# KiCad board Tanner 64k SRAM.kicad_pcb (continued)
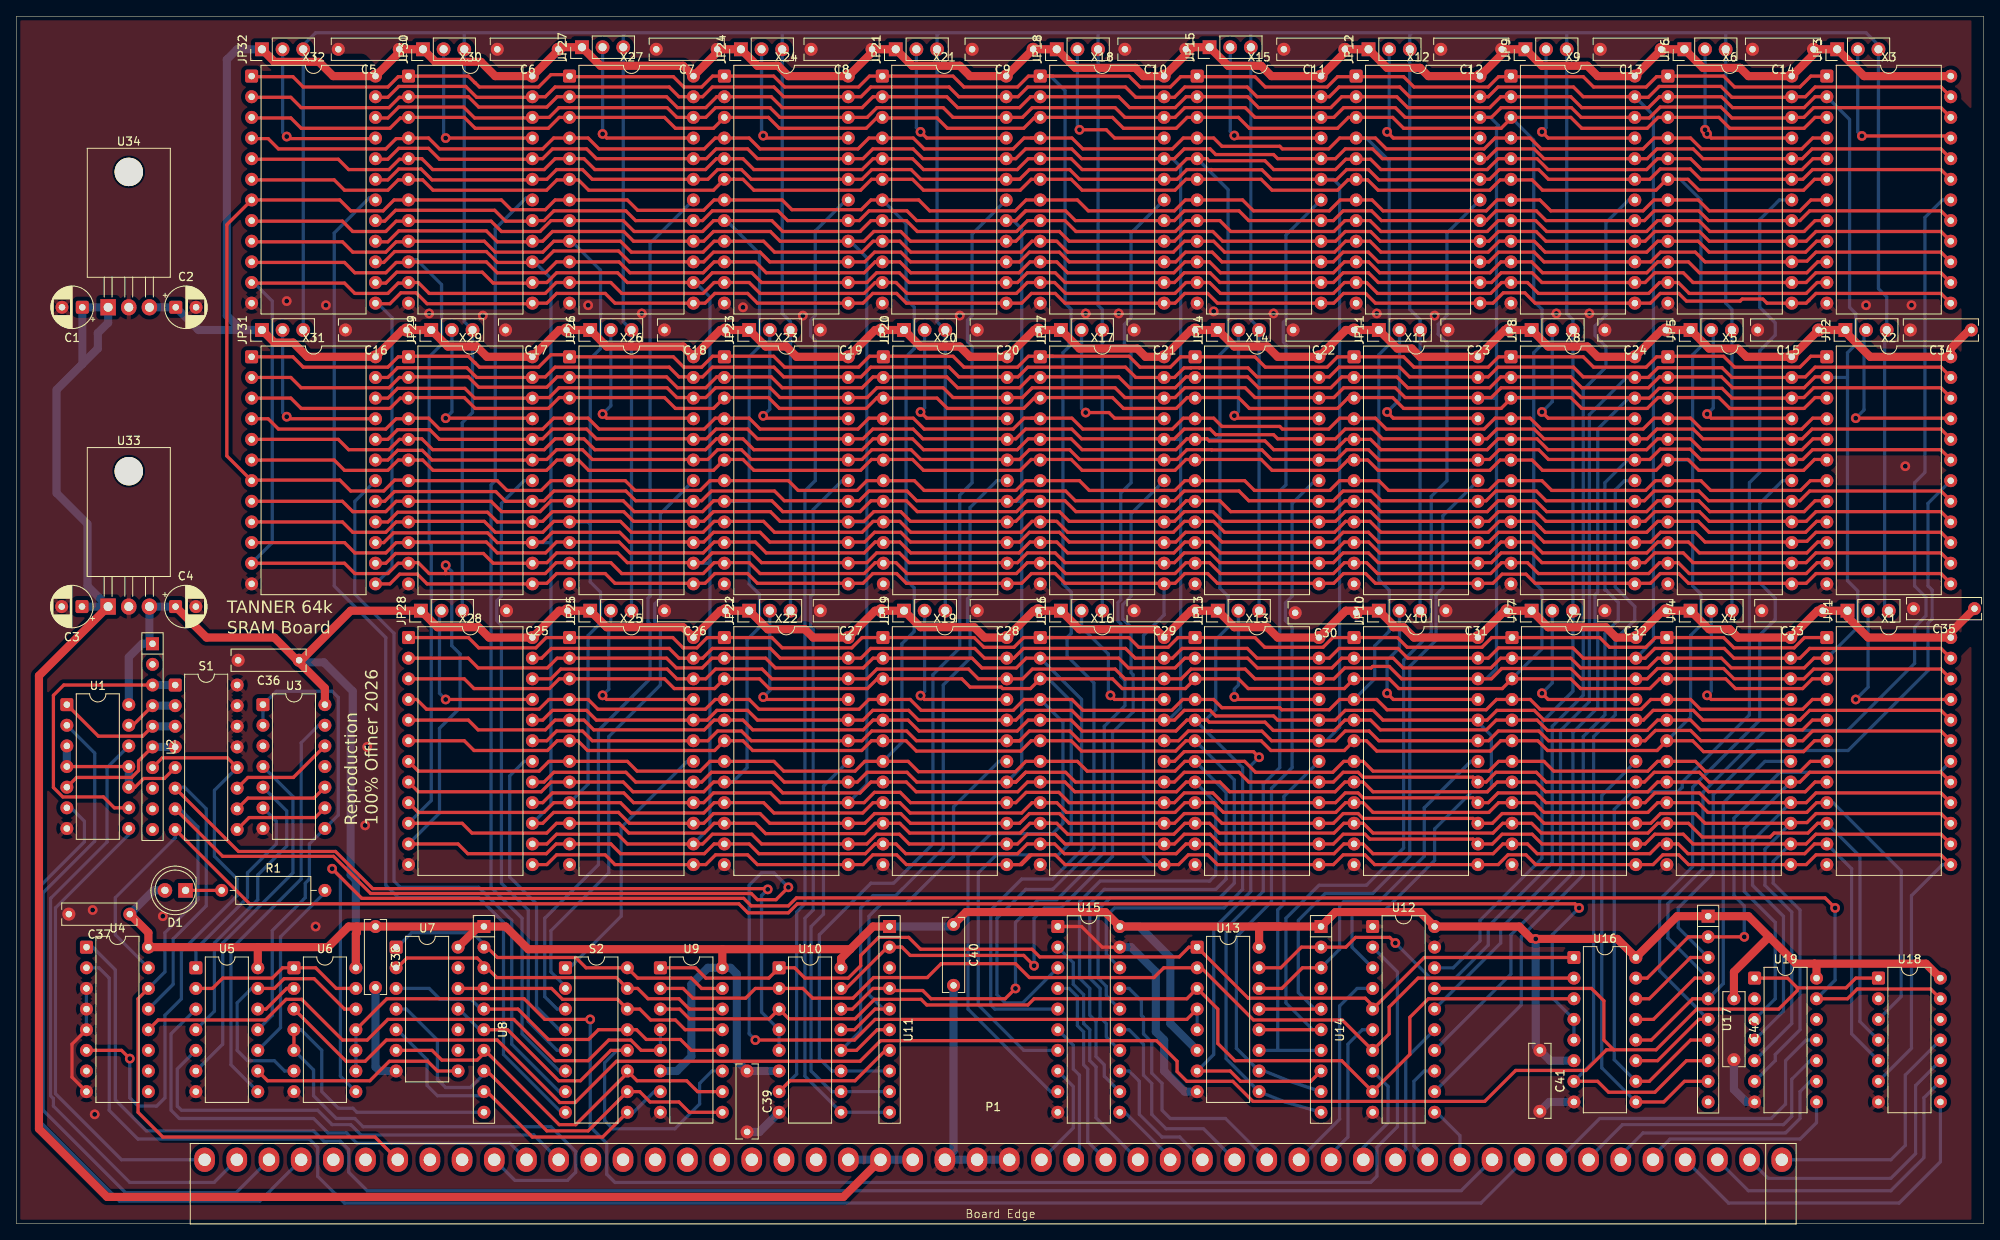
[diagram p0: board, top side]
## Nets (continued)
/~{DS_SEL}: U3.13 U5.8
/~{DS}: U4.12 U9.4 U9.5
/~{FIRQ}: P1.37
/~{HALT}: P1.45
/~{IRQ}: P1.36
/~{MRDY}: P1.34
/~{NMI}: P1.35
/~{OE}: U12.3 X1.20 X2.20 X3.20 X4.20 X5.20 X6.20 X7.20 X8.20 X9.20 X10.20 X11.20 X12.20 X13.20 X14.20 X15.20 X16.20 X17.20 X18.20 X19.20 X20.20 X21.20 X22.20 X23.20 X24.20 X25.20 X26.20 X27.20 X28.20 X29.20 X30.20 X31.20 X32.20
/~{READ}: U6.3 U12.17 U18.1 U19.1
/~{RES}: P1.42
/~{WE}: JP1.3 JP2.3 JP3.3 JP4.3 JP5.3 JP6.3 JP7.3 JP8.3 JP9.3 JP10.3 JP11.3 JP12.3 JP13.3 JP14.3 JP15.3 JP16.3 JP17.3 JP18.3 JP19.3 JP20.3 JP21.3 JP22.3 JP23.3 JP24.3 JP25.3 JP26.3 JP27.3 JP28.3 JP29.3 JP30.3 JP31.3 JP32.3 U12.18
/~{WRITE}: U6.9 U6.10 U6.11 U12.2
BR/~{W}: P1.41 U6.4 U6.5 U8.10
Net-(D1-K): D1.1 R1.1
Net-(JP1-C): JP1.2 X1.21
Net-(JP2-C): JP2.2 X2.21
Net-(JP3-C): JP3.2 X3.21
Net-(JP4-C): JP4.2 X4.21
Net-(JP5-C): JP5.2 X5.21
Net-(JP6-C): JP6.2 X6.21
Net-(JP7-C): JP7.2 X7.21
Net-(JP8-C): JP8.2 X8.21
Net-(JP9-C): JP9.2 X9.21
Net-(JP10-C): JP10.2 X10.21
Net-(JP11-C): JP11.2 X11.21
Net-(JP12-C): JP12.2 X12.21
Net-(JP13-C): JP13.2 X13.21
Net-(JP14-C): JP14.2 X14.21
Net-(JP15-C): JP15.2 X15.21
Net-(JP16-C): JP16.2 X16.21
Net-(JP17-C): JP17.2 X17.21
Net-(JP18-C): JP18.2 X18.21
Net-(JP19-C): JP19.2 X19.21
Net-(JP20-C): JP20.2 X20.21
Net-(JP21-C): JP21.2 X21.21
Net-(JP22-C): JP22.2 X22.21
Net-(JP23-C): JP23.2 X23.21
Net-(JP24-C): JP24.2 X24.21
Net-(JP25-C): JP25.2 X25.21
Net-(JP26-C): JP26.2 X26.21
Net-(JP27-C): JP27.2 X27.21
Net-(JP28-C): JP28.2 X28.21
Net-(JP29-C): JP29.2 X29.21
Net-(JP30-C): JP30.2 X30.21
Net-(JP31-C): JP31.2 X31.21
Net-(JP32-C): JP32.2 X32.21
Net-(R1-Pad2): R1.2 U5.10
Net-(S1-Pad5): S1.5 U1.3 U1.4 U1.10 U1.11
Net-(S1-Pad9): S1.9 U3.9
Net-(S1-Pad10): S1.10 U3.10
Net-(S1-Pad11): S1.11 U3.12
Net-(U3-Pad1): U3.1 U3.2 U3.8 U5.11
Net-(U3-Pad4): U3.4 U5.6
Net-(U3-Pad5): U3.5 U5.4
Net-(U3-Pad6): U3.6 U5.1
Net-(U5-Pad2): U5.2 U6.1 U6.13
Net-(U5-Pad9): U5.9 U7.8
Net-(U5-Pad12): U5.12 U6.2
Net-(U5-Pad13): U5.13 U6.6 U6.12
Net-(U18-OEb): U6.8 U18.13 U19.13

Pads without a net: P1 33; U2 2 8 9 10; U3 3 11; U4 7 9 10 11; U7 9 10 13; U11 3; U14 4; U17 10; U18 2 12; U19 2 12

## Via types
v1: diameter 1.2, hole 0.6, Top to Bottom, 74 vias

## Routing (per net, layer and track width the routed paths; a pad name or vN(x,y) marks a point on that pad's centre or on a via; arc(x,y) is an arc through that point)
+5V: length 674.5
  Top w1: U18.14 234.95,32 221.23,32 ; C37.1 16.26,35.81 U4.16 29.72,34.04 ; 34.54,69.34 31.75,72.14 23.41,72.14 C4.1 ; 57.91,36.58 60.2,36.58 62.99,33.78 86.87,33.78 ; 57.91,36.58 41.91,36.58 ; 57.91,36.58 56.9,36.58 54.48,34.16 54.48,34.04 ; 215.65,35.31 211.33,30.99 C42.1 ; 215.65,35.31 218.95,32 221.23,32 ; 215.65,35.31 213.11,37.85 U17.1 204.34,37.85 U16.16 196.98,35.05 v1(186.94,35.05) 186.44,35.05 184.91,36.58 U12.20 172.72,38.35 162.31,38.35 U14.1 155.45,36.58 ; U9.16 86.87,33.78 ; 86.87,33.78 102.62,33.78 ; U13.16 152.91,36.58 155.45,36.58 ; 29.72,34.04 38.35,34.04 40.89,36.58 41.91,36.58 ; 29.72,34.04 U5.14 ; 41.91,36.58 41.91,35.81 41.78,35.69 U6.14 ; 102.62,33.78 101.47,32.64 U10.16 ; 102.62,33.78 105.41,36.58 U11.1 ; 155.45,36.58 U15.20 133.98,38.35 116.84,38.35 C40.1 ; 221.23,32 221.49,31.75 U19.14 ; 37.97,63.88 37.97,65.91 34.8,69.09 41.15,75.44 JP28.1 51.82,73.41 56.9,73.41 58.17,72.14 X28.24 66.8,75.44 JP25.1 72.64,73.41 82.04,73.41 X25.24 86.61,75.44 JP22.1 92.46,73.15 97.03,73.15 98.04,72.14 X22.24 105.66,75.44 JP19.1 111.25,73.41 117.86,73.41 119.13,72.14 X19.24 125.17,75.44 JP16.1 130.81,73.15 140.21,73.15 X16.24 144.53,75.44 JP13.1 149.86,73.41 153.92,73.41 155.19,72.14 X13.24 163.58,75.44 JP10.1 169.42,73.66 169.42,73.41 170.69,73.41 171.96,72.14 X10.24 183.13,75.44 JP7.1 188.47,73.41 195.58,73.41 196.85,72.14 X7.24 202.56,75.44 JP4.1 208.28,73.15 210.82,73.15 211.84,72.14 X4.24 221.61,75.44 JP1.1 225.3,74.68 227.84,72.14 X1.24 238,72.76 C35.1
  Bottom w1: C37.1 16.89,41.02 D1.2 ; U1.14 13.84,69.72 15.49,71.37 U2.1 16.38,71.76 U33.3 C4.1 ; U15.20 138.18,36.58 141.99,32.77 141.99,24.64 U13.6 ; v1(186.94,35.05) 186.94,21.84 188.72,20.07 U16.6 ; 34.8,69.09 37.85,69.09 41.4,65.53 41.4,61.21 41.15,60.96 41.15,42.93 41.78,42.29 U6.14 ; U9.6 81.28,18.8 83.06,20.57 83.06,29.46 85.09,31.5 U9.16 87.88,31.5 88.65,30.73 88.65,20.07 C39.1 U10.6 ; U11.1 115.06,36.58
+8V: length 240.1
  Top w1: U33.1 2.79,67.44 2.79,11.68 11.18,3.3 101.76,3.3 P1.29
  Bottom w1: C3.1 U33.1 8.76,78.49 8.76,86.11 4.95,89.92 4.95,102.62 8.13,105.79 ; P1.30 P1.28 ; 8.13,105.79 C1.1 U34.1 11.3,110.87 10.03,109.6 10.03,107.7 8.13,105.79
GND: length 105.1
  Top w0.4: U4.5 6.86,22.1 6.86,18.03 U4.8 ; U15.1 131.06,36.58 133.6,34.04 U15.19
  Bottom w0.4: U4.5 U4.3
  Bottom w1: U13.8 143.76,16.26 141.22,18.8 141.22,22.61 140.21,23.62 140.21,30.99 137.16,34.04 U15.19 ; U7.7 44.7,18.8 44.2,19.3 C38.2 ; C39.2 91.43,11.3 U10.8 ; C42.2 211.33,16.51 212.85,14.99 U19.7 ; C41.2 188.6,14.99 U16.8 ; C40.2 115.32,8.94 P1.27 P1.25
  vias: v1(9.4,38.61) v1(9.65,13.46) v1(18.03,37.85) v1(33.27,113.54) v1(36.83,36.58) v1(38.1,113.03) v1(42.93,49.02) v1(43.18,58.67) v1(50.8,112.01) v1(57.4,111.76) v1(70.36,113.03) v1(76.96,112.01) v1(89.41,112.78) v1(96.77,111.76) v1(116.08,111.76) v1(131.57,112.01) v1(135.64,112.01) v1(147.32,112.27) v1(154.69,112.01) v1(167.39,112.01) v1(174.5,111.76) v1(189.48,112.01) v1(193.55,112.01) v1(227.58,113.03) v1(232.41,93.22) v1(233.17,113.03)
+5C: length 534.5
  Top w1: JP31.1 31.78,108.43 34.06,108.43 35.81,106.68 X31.24 47.5,109.98 JP29.1 53.09,107.95 56.64,107.95 57.91,106.68 X29.24 66.8,109.98 JP26.1 72.64,107.95 82.04,107.95 X26.24 86.61,109.98 JP23.1 92.2,107.95 94.74,107.95 96.01,106.68 X23.24 105.66,109.98 JP20.1 111.25,107.95 116.08,107.95 117.35,106.68 X20.24 125.22,109.98 JP17.1 130.81,107.7 137.92,107.7 138.94,106.68 X17.24 144.53,109.98 JP14.1 149.86,107.95 153.92,107.95 155.19,106.68 X14.24 163.58,109.98 JP11.1 169.93,107.7 171.7,107.7 172.72,106.68 X11.24 183.13,109.98 JP8.1 188.47,107.95 193.29,107.95 194.56,106.68 X8.24 202.44,109.98 JP5.1 208.28,107.7 211.84,107.7 212.85,106.68 X5.24 C15.1 JP2.1 225.04,109.73 228.09,106.68 X2.24 238,107.7 240.28,109.98 C34.1 ; X3.24 227.33,141.22 JP3.1 221.74,144.53 X6.24 213.11,141.22 212.09,142.24 207.52,142.24 JP6.1 202.44,144.53 X9.24 194.56,141.22 193.29,142.49 187.71,142.49 JP9.1 183.39,144.53 X12.24 173.74,141.22 172.72,142.24 168.66,142.24 JP12.1 163.83,144.53 X15.24 154.43,141.22 153.16,142.49 149.1,142.49 JP15.1 144.78,144.78 X18.24 138.68,141.22 137.67,142.24 130.3,142.24 JP18.1 125.09,144.53 121.79,141.22 117.35,141.22 116.08,142.49 110.24,142.49 JP21.1 105.66,144.53 X24.24 95,141.22 93.73,142.49 91.19,142.49 JP24.1 86.61,144.53 X27.24 82.04,142.49 71.88,142.49 JP27.1 67.06,144.78 X30.24 58.93,141.22 57.18,142.98 51.59,142.98 JP30.1 47.5,144.53 X32.24 38.99,141.22 37.24,142.98 31.78,142.98 JP32.1
  Bottom w1: JP32.1 27.18,144.53 25.91,143.26 25.91,111.76 27.69,109.98 JP31.1 22.42,109.98 C2.1 U34.3
/A0: length 725.9
  Top w0.4: 106.63,88.97 105.16,88.97 103.82,87.63 94.3,87.63 92.96,88.97 85.79,88.97 84.45,87.63 76.02,87.63 74.68,88.97 65.79,88.97 64.45,87.63 59.69,87.63 58.42,88.9 48.33,88.9 48.26,88.97 ; X3.8 221.3,123.44 219.96,122.1 208.35,122.1 207.01,123.44 201.93,123.44 200.59,122.1 188.28,122.1 186.94,123.44 182.32,123.44 180.98,122.1 167.89,122.1 166.55,123.44 163.46,123.44 162.12,122.1 149.42,122.1 148.08,123.44 143.93,123.44 142.59,122.1 130.37,122.1 129.03,123.44 X18.8 ; 222.76,88.97 221.3,88.97 219.96,87.63 208.35,87.63 207.01,88.97 201.93,88.97 200.59,87.63 188.28,87.63 186.94,88.97 182.32,88.97 180.98,87.63 167.89,87.63 166.55,88.97 163.46,88.97 162.12,87.63 149.42,87.63 148.08,88.97 143.93,88.97 142.59,87.63 130.37,87.63 129.03,88.97 125.98,88.97 ; X29.8 46.74,88.9 45.47,87.63 41.4,87.63 40.13,88.9 X31.8 ; 28.96,123.37 40.13,123.37 41.4,122.1 45.47,122.1 46.74,123.37 48.26,123.37 ; X19.8 105.16,54.36 103.82,53.02 94.3,53.02 92.96,54.36 X22.8 85.79,54.36 84.59,53.16 75.88,53.16 74.68,54.36 X25.8 65.79,54.36 64.59,53.16 49.46,53.16 X28.8 ; 125.52,123.44 124.42,123.44 123.08,122.1 110.85,122.1 109.51,123.44 106.47,123.44 ; X30.8 48.33,123.37 58.42,123.37 59.69,122.1 64.45,122.1 65.79,123.44 74.68,123.44 76.02,122.1 84.45,122.1 85.79,123.44 92.96,123.44 94.3,122.1 103.82,122.1 105.16,123.44 106.63,123.44 ; 106.47,88.97 109.51,88.97 110.85,87.63 123.08,87.63 124.42,88.97 125.52,88.97 ; 125.52,54.36 124.42,54.36 123.22,53.16 110.71,53.16 109.51,54.36 106.47,54.36 ; X1.8 221.3,54.36 220.1,53.16 208.21,53.16 207.01,54.36 X4.8 201.93,54.36 200.73,53.16 188.14,53.16 186.94,54.36 X7.8 182.2,54.36 181.86,54.01 181.86,54.01 181,53.16 166.92,53.16 165.72,54.36 X10.8 163.46,54.36 162.26,53.16 149.28,53.16 148.08,54.36 X13.8 143.93,54.36 142.73,53.16 130.23,53.16 129.03,54.36 X16.8
  Bottom w0.4: X13.8 147.57,51.82 147.57,42.93 146.81,42.16 133.35,42.16 130.81,39.62 130.81,30.23 132.08,28.96 132.08,25.65 132.84,24.89 132.84,20.57 133.86,19.56 133.86,18.16 U15.12 ; 90.17,88.9 90.17,78.74 91.44,77.47 91.44,73.41 89.92,71.88 89.92,56.13 88.14,54.36 X22.8 ; 90.17,88.9 90.17,106.68 91.44,107.95 91.44,119.38 87.38,123.44 X24.8 ; 90.17,88.9 X23.8
/A1: length 758.8
  Top w0.4: X1.7 220.73,56.9 219.53,55.7 207.79,55.7 206.59,56.9 X4.7 201.93,56.9 200.73,55.7 189.16,55.7 187.96,56.9 X7.7 182.37,56.9 181.17,55.7 166.92,55.7 165.72,56.9 X10.7 163.32,56.9 161.98,55.56 152.47,55.56 151.13,56.9 X13.7 143.76,56.9 142.56,55.7 131.76,55.7 130.56,56.9 X16.7 124.21,56.9 122.94,55.63 111,55.63 109.73,56.9 X19.7 104.39,56.9 103.19,55.7 94.42,55.7 93.22,56.9 X22.7 85.34,56.9 84.14,55.7 76.38,55.7 75.18,56.9 X25.7 65.53,56.9 64.33,55.7 49.46,55.7 X28.7 ; X2.7 220.73,91.44 219.53,90.24 208.46,90.24 207.26,91.44 X5.7 201.68,91.44 200.48,90.24 188.91,90.24 187.71,91.44 X8.7 182.37,91.44 181.17,90.24 168.84,90.24 167.64,91.44 X11.7 162.81,91.44 161.61,90.24 152.33,90.24 151.13,91.44 X14.7 143.76,91.44 142.56,90.24 132.01,90.24 130.81,91.44 X17.7 124.21,91.44 123.01,90.24 111.69,90.24 110.49,91.44 X20.7 104.65,91.44 103.45,90.24 96.2,90.24 95,91.44 X23.7 85.34,91.44 84.14,90.24 76.13,90.24 74.93,91.44 X26.7 65.79,91.44 64.59,90.24 60.38,90.24 59.18,91.44 X29.7 48.19,91.51 46.55,91.51 45.21,90.17 41.15,90.17 39.81,91.51 29.03,91.51 X31.7 25.91,94.49 25.91,122.94 X32.7 39.81,125.98 41.15,124.64 45.14,124.64 46.48,125.98 X30.7 59.69,125.98 60.89,124.78 65.09,124.78 66.29,125.98 X27.7 75.18,125.98 76.45,124.71 84.58,124.71 85.85,125.98 X24.7 94.23,125.98 95.43,124.78 103.96,124.78 105.16,125.98 X21.7 111.04,125.98 112.38,124.64 122.91,124.64 124.25,125.98 X18.7 130.56,125.98 131.9,124.64 142.49,124.64 143.83,125.98 150.88,125.98 152.22,124.64 161.54,124.64 162.88,125.98 166.81,125.98 168.15,124.64 180.85,124.64 182.19,125.98 187.45,125.98 188.79,124.64 200.15,124.64 201.49,125.98 206.94,125.98 208.28,124.64 219.46,124.64 220.8,125.98 X3.7
  Bottom w0.4: 109.47,91.44 109.47,106.68 110.49,107.7 110.49,112.78 109.47,113.79 109.47,123.06 X21.7 ; 109.47,91.44 109.47,79.25 110.47,78.25 110.47,72.88 108.97,71.37 108.97,59.24 X19.7 ; 109.47,91.44 X20.7 ; X13.7 148.84,53.09 148.84,42.42 147.57,41.15 133.86,41.15 132.08,39.37 132.08,30.23 133.35,28.96 133.35,25.4 134.11,24.64 134.11,22.99 U15.14
/A2: length 720.3
  Top w0.4: X30.6 48.33,128.45 50,128.45 51.27,127.18 65.24,127.18 66.51,128.45 69.16,128.45 70.43,127.18 85.78,127.18 X24.6 89.41,128.52 90.75,127.18 103.88,127.18 105.22,128.52 106.63,128.52 ; X31.6 39.12,93.98 40.39,92.71 45.72,92.71 46.99,93.98 X29.6 ; 125.52,59.44 124.86,59.44 123.59,58.17 110.74,58.17 109.47,59.44 106.47,59.44 ; 106.47,128.52 110.28,128.52 111.62,127.18 123.52,127.18 124.86,128.52 125.52,128.52 ; 222.76,94.05 221.23,94.05 219.89,92.71 207.01,92.71 205.67,94.05 203.07,94.05 201.73,92.71 187.78,92.71 186.51,93.98 X8.6 182.56,93.98 181.29,92.71 167.55,92.71 166.28,93.98 X11.6 163.83,93.98 162.56,92.71 154.5,92.71 153.16,94.05 143.9,94.05 142.56,92.71 131.13,92.71 129.79,94.05 125.98,94.05 ; X3.6 221.23,128.52 219.89,127.18 207.01,127.18 205.67,128.52 203.07,128.52 201.73,127.18 187.78,127.18 186.51,128.45 182.56,128.45 181.29,127.18 167.55,127.18 166.28,128.45 163.83,128.45 162.56,127.18 154.5,127.18 153.16,128.52 143.9,128.52 142.56,127.18 131.13,127.18 129.79,128.52 X18.6 ; 125.52,94.05 124.86,94.05 123.52,92.71 111.62,92.71 110.28,94.05 106.47,94.05 ; X1.6 221.23,59.44 219.89,58.1 207.59,58.1 206.25,59.44 X4.6 201.87,58.24 188.4,58.24 187.2,59.44 X7.6 182.63,59.44 181.36,58.17 167.39,58.17 166.12,59.44 X10.6 163.39,58.24 154.36,58.24 153.16,59.44 X13.6 143.9,59.44 142.63,58.17 131.06,58.17 129.79,59.44 X16.6 ; X19.6 105.22,59.44 104.02,58.24 90.61,58.24 89.41,59.44 X22.6 85.92,58.24 70.29,58.24 69.09,59.44 X25.6 66.55,59.44 65.35,58.24 56.32,58.24 55.12,59.44 X28.6 ; 48.33,93.98 50,93.98 51.27,92.71 65.24,92.71 66.51,93.98 69.16,93.98 70.43,92.71 85.78,92.71 87.12,94.05 89.41,94.05 90.75,92.71 103.88,92.71 105.22,94.05 106.63,94.05 ; 28.96,128.45 39.12,128.45 40.39,127.18 45.72,127.18 46.99,128.45 48.26,128.45
  Bottom w0.4: U15.16 134.11,28.07 134.11,29.21 133.1,30.23 133.1,38.61 134.62,40.13 148.08,40.13 149.86,41.91 149.86,54.61 X13.6 ; X6.6 204.72,128.52 207.26,125.98 207.26,107.95 206.25,106.93 206.25,93.98 ; X4.6 205.99,62.36 205.99,72.39 207.26,73.66 207.26,77.47 206.25,78.49 206.25,93.98 ; 206.25,93.98 X5.6
/A3: length 722.8
  Top w0.4: 106.63,96.59 105.41,96.59 104.07,95.25 90.75,95.25 89.41,96.59 86.14,96.59 84.8,95.25 71.19,95.25 69.85,96.59 66.29,96.59 64.95,95.25 51.24,95.25 49.9,96.59 48.26,96.59 ; 106.47,61.98 109.73,61.98 111.07,60.64 123.16,60.64 124.5,61.98 127.04,61.98 ; 106.47,96.59 110.28,96.59 111.62,95.25 123.16,95.25 124.5,96.59 127.04,96.59 ; X19.5 105.41,61.98 104.21,60.78 90.61,60.78 89.41,61.98 X22.5 85.85,61.98 84.65,60.78 71.05,60.78 69.85,61.98 X25.5 66.29,61.98 65.09,60.78 56.83,60.78 55.63,61.98 X28.5 ; X1.5 220.98,61.98 219.78,60.78 207.19,60.78 205.99,61.98 X4.5 201.93,61.98 200.66,60.71 188.38,60.71 187.11,61.98 X7.5 182.07,61.98 180.87,60.78 167.82,60.78 166.62,61.98 X10.5 163.46,61.98 162.19,60.71 154.64,60.71 153.63,61.72 146.77,61.72 146.51,61.98 X13.5 144.02,61.98 142.68,60.64 131.13,60.64 129.79,61.98 X16.5 ; 106.47,131.06 110.28,131.06 111.62,129.72 123.16,129.72 124.5,131.06 127.04,131.06 ; X18.5 129.79,131.06 131.13,129.72 142.68,129.72 144.02,131.06 146.51,131.06 146.77,130.81 153.63,130.81 154.71,129.72 162.31,129.72 163.58,130.99 166.62,130.99 167.89,129.72 180.97,129.72 182.31,131.06 187.11,131.06 188.45,129.72 200.59,129.72 201.93,131.06 205.99,131.06 207.33,129.72 219.71,129.72 221.05,131.06 X3.5 ; 125.98,96.59 129.79,96.59 131.13,95.25 142.68,95.25 144.02,96.59 146.51,96.59 146.77,96.34 153.63,96.34 154.71,95.25 162.31,95.25 163.58,96.52 X11.5 166.62,96.52 167.89,95.25 180.97,95.25 182.31,96.59 187.11,96.59 188.45,95.25 200.59,95.25 201.93,96.59 205.99,96.59 207.33,95.25 219.71,95.25 221.05,96.59 222.76,96.59 ; X31.5 39.62,96.52 40.89,95.25 45.86,95.25 47.13,96.52 X29.5 ; 106.63,131.06 105.41,131.06 104.07,129.72 90.75,129.72 89.41,131.06 86.14,131.06 84.8,129.72 71.19,129.72 69.85,131.06 66.29,131.06 64.95,129.72 51.24,129.72 49.9,131.06 X30.5 ; 28.96,130.99 39.62,130.99 40.89,129.72 45.86,129.72 47.13,130.99 48.26,130.99
  Bottom w0.4: 148.08,97.03 148.08,96.77 147.83,96.52 X14.5 ; 148.08,97.03 148.08,106.93 149.1,107.95 149.1,127.25 X15.5 ; 148.08,97.03 148.08,78.23 149.1,77.22 149.1,73.41 147.57,71.88 147.57,63.25 146.3,61.98 X13.5 150.88,56.13 150.88,41.15 148.59,38.86 135.13,38.86 134.11,37.85 134.11,33.15 U15.18
/A4: length 739
  Top w0.4: 124.85,64.52 X16.4 129.88,64.52 131.22,63.18 142.17,63.18 143.51,64.52 X13.4 147.32,64.52 148.34,63.5 155.45,63.5 155.7,63.25 161.54,63.25 162.81,64.52 X10.4 167.39,64.52 168.66,63.25 180.85,63.25 182.12,64.52 X7.4 186.27,64.52 187.47,63.32 199.9,63.32 201.1,64.52 X4.4 205.99,64.52 207.19,63.32 219.78,63.32 220.98,64.52 X1.4 ; 48.26,99.13 50.73,99.13 52.07,97.79 64.77,97.79 66.11,99.13 70.36,99.13 71.7,97.79 84.65,97.79 85.99,99.13 90.17,99.13 91.51,97.79 103.56,97.79 104.9,99.13 106.63,99.13 ; 48.26,133.53 46.74,133.53 45.47,132.26 32.26,132.26 30.99,133.53 28.96,133.53 ; X30.4 50.73,133.6 52.07,132.26 64.77,132.26 66.11,133.6 70.36,133.6 71.7,132.26 84.65,132.26 85.99,133.6 90.17,133.6 91.51,132.26 103.56,132.26 104.9,133.6 106.63,133.6 ; 106.47,64.52 109.98,64.52 111.32,63.18 122.65,63.18 123.99,64.52 127.29,64.52 ; 222.76,99.13 221.01,99.13 219.67,97.79 207.33,97.79 205.99,99.13 201.49,99.13 200.15,97.79 187.61,97.79 186.27,99.13 181.93,99.13 180.59,97.79 168.56,97.79 167.22,99.13 162.81,99.13 161.47,97.79 155.77,97.79 155.45,98.11 148.34,98.11 147.32,99.13 143.58,99.13 142.24,97.79 131.22,97.79 129.88,99.13 124.85,99.13 ; 125.52,99.13 123.99,99.13 122.65,97.79 111.7,97.79 110.36,99.13 106.47,99.13 ; X3.4 221.01,133.6 219.67,132.26 207.33,132.26 205.99,133.6 201.49,133.6 200.15,132.26 187.61,132.26 186.27,133.6 181.93,133.6 180.59,132.26 168.56,132.26 167.22,133.6 162.81,133.6 161.47,132.26 155.77,132.26 155.45,132.59 148.34,132.59 147.32,133.6 143.58,133.6 142.24,132.26 131.22,132.26 129.88,133.6 124.85,133.6 ; 125.52,133.6 123.99,133.6 122.65,132.26 111.7,132.26 110.36,133.6 106.47,133.6 ; X29.4 46.74,99.06 45.47,97.79 32.26,97.79 30.99,99.06 X31.4 ; X19.4 104.9,64.52 103.7,63.32 91.37,63.32 90.17,64.52 X22.4 85.99,64.52 84.79,63.32 71.56,63.32 70.36,64.52 X25.4 65.53,64.52 64.33,63.32 50.48,63.32 49.28,64.52 X28.4
  Bottom w0.4: 167.64,99.06 167.64,79.25 168.91,77.98 168.91,72.9 167.13,71.12 167.13,67.06 X10.4 ; 167.64,99.06 167.64,106.93 168.91,108.2 168.91,130.81 166.12,133.6 X12.4 ; 167.64,99.06 X11.4 ; U15.9 127.25,16.26 117.09,26.42 117.09,45.21 119.89,48.01 127.51,48.01 128.78,49.28 128.78,61.72 X16.4
/A5: length 732.3
  Top w0.4: X18.3 134.87,136.14 136.21,134.8 142.71,134.8 144.05,136.14 150.37,136.14 151.71,134.8 162.56,134.8 163.9,136.14 169.35,136.14 170.69,134.8 182.68,134.8 184.02,136.14 191.26,136.14 192.6,134.8 200.66,134.8 202,136.14 209.48,136.14 210.82,134.8 219.96,134.8 221.3,136.14 X3.3 ; X1.3 220.98,67.06 219.78,65.86 211.51,65.86 210.31,67.06 X4.3 202.18,67.06 200.98,65.86 192.46,65.86 191.26,67.06 X7.3 182.82,65.86 170.11,65.86 168.91,67.06 X10.3 163.39,65.86 151.57,65.86 150.37,67.06 X13.3 143.83,65.86 136.07,65.86 134.87,67.06 X16.3 124.78,65.86 121.37,65.86 121.18,66.04 117.35,66.04 116.33,67.06 X19.3 105.92,67.06 104.72,65.86 92.64,65.86 91.44,67.06 X22.3 85.92,65.86 80.96,65.86 79.76,67.06 X25.3 66.8,67.06 65.6,65.86 56.32,65.86 55.12,67.06 X28.3 ; X31.3 33.78,101.6 35.05,100.33 45.97,100.33 47.24,101.6 X29.3 ; 106.63,136.14 105.92,136.14 104.58,134.8 93.89,134.8 92.55,136.14 X24.3 85.78,134.8 81.1,134.8 79.76,136.14 66.8,136.14 65.46,134.8 56.46,134.8 55.12,136.14 X30.3 ; 48.26,101.67 55.12,101.67 56.46,100.33 65.46,100.33 66.8,101.67 79.76,101.67 81.1,100.33 85.78,100.33 87.12,101.67 92.55,101.67 93.89,100.33 104.58,100.33 105.92,101.67 106.63,101.67 ; 48.26,136.07 47.24,136.07 45.97,134.8 35.05,134.8 33.78,136.07 28.96,136.07 ; X17.3 125.22,101.6 123.95,100.33 114.55,100.33 113.28,101.6 X20.3 ; 222.76,101.67 221.3,101.67 219.96,100.33 210.82,100.33 209.48,101.67 202,101.67 200.66,100.33 192.6,100.33 191.26,101.67 184.02,101.67 182.68,100.33 170.69,100.33 169.35,101.67 163.9,101.67 162.56,100.33 151.71,100.33 150.37,101.67 144.05,101.67 142.71,100.33 136.21,100.33 134.87,101.67 125.98,101.67 ; 106.68,136.07 113.28,136.07 114.55,134.8 123.95,134.8 125.22,136.07 125.98,136.07
  Bottom w0.4: X16.3 127,67.06 129.79,64.26 129.79,46.99 128.2,45.4 120.58,45.4 118.36,43.18 118.36,26.92 123.95,21.34 U15.7 ; X9.3 186.69,133.35 186.69,113.54 187.71,112.52 187.71,108.2 186.69,107.19 186.69,101.6 ; 186.69,101.6 186.69,78.99 187.71,77.98 187.71,70.74 X7.3 ; 186.69,101.6 X8.3
/A6: length 731.2
  Top w0.4: X29.2 47.13,104.14 45.86,102.87 35.05,102.87 33.78,104.14 X31.2 ; 106.47,69.6 117.6,69.6 118.8,68.4 123.05,68.4 124.25,69.6 126.65,69.6 ; 222.76,104.21 221.3,104.21 219.96,102.87 211.14,102.87 209.8,104.21 202.16,104.21 200.82,102.87 192.6,102.87 191.26,104.21 182.63,104.21 181.29,102.87 171.2,102.87 169.86,104.21 163.07,104.21 161.73,102.87 152.84,102.87 151.5,104.21 143.93,104.21 142.59,102.87 136.98,102.87 135.64,104.21 125.98,104.21 ; 106.63,104.21 105.41,104.21 104.07,102.87 94.23,102.87 92.89,104.21 86.18,104.21 84.84,102.87 81.35,102.87 80.01,104.21 66.55,104.21 65.28,102.94 56.9,102.94 55.63,104.21 48.26,104.21 ; X30.2 55.63,138.68 56.9,137.41 65.28,137.41 66.55,138.68 80.01,138.68 81.35,137.34 84.84,137.34 86.18,138.68 92.89,138.68 94.23,137.34 104.07,137.34 105.41,138.68 106.63,138.68 ; X18.2 135.64,138.68 136.98,137.34 142.59,137.34 143.93,138.68 151.5,138.68 152.84,137.34 161.73,137.34 163.07,138.68 169.86,138.68 171.2,137.34 181.29,137.34 182.63,138.68 191.26,138.68 192.6,137.34 200.82,137.34 202.16,138.68 209.8,138.68 211.14,137.34 219.96,137.34 221.3,138.68 X3.2 ; X1.2 221.18,69.6 219.98,68.4 211,68.4 209.8,69.6 X4.2 201.94,69.6 200.74,68.4 192.46,68.4 191.26,69.6 X7.2 182.63,69.6 181.43,68.4 170.62,68.4 169.42,69.6 X10.2 163.07,69.6 161.87,68.4 152.7,68.4 151.5,69.6 X13.2 143.76,69.6 142.56,68.4 136.84,68.4 135.64,69.6 X16.2 ; X19.2 105.41,69.6 104.21,68.4 93.4,68.4 92.2,69.6 X22.2 85.6,69.6 84.4,68.4 81.21,68.4 80.01,69.6 X25.2 66.55,69.6 65.35,68.4 56.83,68.4 55.63,69.6 X28.2 ; 126.65,104.21 124.78,104.21 123.44,102.87 115.82,102.87 114.48,104.21 106.47,104.21 ; 48.26,138.61 47.13,138.61 45.86,137.34 35.05,137.34 33.78,138.61 28.96,138.61 ; 106.47,138.68 114.48,138.68 115.82,137.34 123.44,137.34 124.78,138.68 126.65,138.68
  Bottom w0.4: 225.3,104.14 225.3,107.19 226.31,108.2 226.31,112.01 225.55,112.78 225.55,135.89 X3.2 ; 225.3,104.14 X2.2 ; 225.3,104.14 225.3,79.12 226.57,77.85 226.57,73.41 X1.2 ; X16.2 131.06,64.52 131.06,45.97 127.51,42.42 123.7,42.42 119.89,38.61 119.89,26.92 120.4,26.42 U15.5
/A7: length 739.3
  Top w0.4: 127.55,141.22 124.53,141.22 123.19,139.88 116.59,139.88 115.25,141.22 106.47,141.22 ; 222.76,106.75 220.78,106.75 219.44,105.41 211.4,105.41 210.06,106.75 203.07,106.75 ; 106.63,141.22 104.97,141.22 103.63,139.88 94.52,139.88 93.18,141.22 85.67,141.22 84.33,139.88 82.11,139.88 80.84,141.15 68.07,141.15 67.82,141.41 65.79,141.41 64.26,139.88 56.98,139.88 56.45,140.41 56.44,140.41 55.63,141.22 X30.1 ; 203.2,141.15 201.8,141.15 200.53,139.88 194.06,139.88 192.79,141.15 182.37,141.15 181.1,139.88 171.96,139.88 170.69,141.15 162.56,141.15 161.29,139.88 153.67,139.88 152.4,141.15 143.26,141.15 141.99,139.88 138.25,139.88 136.91,141.22 X18.1 ; 106.63,106.75 104.97,106.75 103.63,105.41 94.52,105.41 93.18,106.75 85.67,106.75 84.33,105.41 82.11,105.41 80.84,106.68 X26.1 67.82,106.93 65.79,106.93 64.26,105.41 56.98,105.41 56.45,105.94 56.44,105.94 55.63,106.75 48.26,106.75 ; 127.55,106.75 124.53,106.75 123.19,105.41 116.59,105.41 115.25,106.75 106.47,106.75 ; X16.1 136.91,72.14 138.11,70.94 141.72,70.94 142.92,72.14 X13.1 152.4,72.14 153.6,70.94 160.77,70.94 161.97,72.14 X10.1 169.93,72.14 171.13,70.94 180.33,70.94 181.53,72.14 X7.1 194.82,72.14 196.02,70.94 200.48,70.94 201.68,72.14 X4.1 210.06,72.14 211.33,70.87 218.74,70.87 220.01,72.14 X1.1 ; X3.1 220.78,141.22 219.44,139.88 211.4,139.88 210.06,141.22 203.07,141.22 ; X29.1 46.99,106.68 45.72,105.41 35.31,105.41 34.04,106.68 X31.1 ; X28.1 55.63,72.14 56.9,70.87 63.93,70.87 65.2,72.14 X25.1 80.77,72.14 82.04,70.87 83.74,70.87 85.01,72.14 X22.1 92.96,72.14 94.23,70.87 102.79,70.87 104.06,72.14 X19.1 ; X5.1 201.8,106.68 200.53,105.41 194.06,105.41 192.79,106.68 X8.1 182.37,106.68 181.1,105.41 171.96,105.41 170.69,106.68 X11.1 162.56,106.68 161.29,105.41 153.67,105.41 152.4,106.68 X14.1 143.26,106.68 141.99,105.41 138.25,105.41 136.91,106.75 125.98,106.75 ; 48.26,141.15 46.99,141.15 45.72,139.88 35.31,139.88 34.04,141.15 28.96,141.15 ; 106.47,72.14 117.85,72.14 119.05,70.94 122.75,70.94 123.95,72.14 127.55,72.14
  Bottom w0.4: 128.78,106.68 128.78,78.74 129.79,77.72 129.79,72.64 129.29,72.14 ; 128.78,106.68 128.78,107.19 129.54,107.95 129.54,108.73 129.77,108.73 129.77,112.54 129.03,113.28 129.03,139.45 127.25,141.22 X18.1 ; 128.78,106.68 X17.1 ; U15.3 123.82,27.18 121.67,27.18 120.65,28.19 120.65,37.59 124.21,41.15 127.51,41.15 132.59,46.23 132.59,66.55 129.29,69.85 129.29,72.14 ; 129.29,72.14 X16.1
/A8: length 753.6
  Top w0.4: X1.23 236.8,70.8 220.64,70.8 219.44,69.6 X4.23 211.33,69.6 210.13,70.8 201.61,70.8 200.41,69.6 X7.23 192.79,69.6 191.52,70.87 182.37,70.87 181.1,69.6 X10.23 171.2,69.6 170,70.8 162.74,70.8 161.54,69.6 X13.23 152.65,69.6 151.45,70.8 143.44,70.8 142.24,69.6 X16.23 137.67,69.6 136.47,70.8 123.92,70.8 122.72,69.6 119.13,69.6 117.93,70.8 105.13,70.8 103.93,69.6 102.35,69.6 ; 63.5,138.61 56.64,138.61 55.3,139.95 47.06,139.95 45.72,138.61 44.2,138.61 ; 199.14,138.61 200.79,138.61 202.13,139.95 209.73,139.95 211.07,138.61 218.44,138.61 ; 199.26,104.21 192.79,104.21 191.59,105.41 182.3,105.41 181.1,104.21 171.41,104.21 170.22,105.41 162.74,105.41 161.54,104.21 152.65,104.21 151.55,105.32 145.55,105.32 145.53,105.34 144.54,105.34 144.51,105.32 143.67,105.32 142.49,104.14 137.74,104.14 136.47,105.41 124.45,105.41 123.25,104.21 115.97,104.21 114.77,105.41 105.13,105.41 103.93,104.21 102.35,104.21 ; X24.23 94.42,138.68 93.22,139.88 85.64,139.88 84.44,138.68 81.53,138.68 80.33,139.88 66.29,139.88 65.09,138.68 X30.23 ; X28.23 64.63,69.6 65.83,70.8 80.33,70.8 81.53,69.6 X25.23 84.44,69.6 85.64,70.8 92.78,70.8 93.98,69.6 X22.23 ; 63.5,104.21 65.09,104.21 66.29,105.41 80.33,105.41 81.53,104.21 84.44,104.21 85.64,105.41 93.22,105.41 94.42,104.21 102.36,104.21 ; 199.26,138.68 192.79,138.68 191.59,139.88 182.3,139.88 181.1,138.68 171.41,138.68 170.22,139.88 162.74,139.88 161.54,138.68 152.65,138.68 151.45,139.88 143.76,139.88 142.49,138.61 137.74,138.61 136.47,139.88 124.45,139.88 123.25,138.68 115.97,138.68 114.77,139.88 105.13,139.88 103.93,138.68 102.35,138.68 ; X29.23 56.64,104.14 55.44,105.34 46.92,105.34 45.72,104.14 X31.23 ; X8.23 200.79,104.14 201.99,105.34 209.87,105.34 211.07,104.14 X5.23 ; 218.31,138.68 220.12,138.68 221.32,139.88 236.8,139.88 X3.23 ; 238,104.21 236.8,105.41 221.32,105.41 220.12,104.21 218.31,104.21
  Bottom w0.4: 201.42,104.14 201.42,71.76 X7.23 ; 201.42,104.14 201.42,136.4 X9.23 ; 201.42,104.14 X8.23 198.12,104.14 193.55,99.57 193.55,64.26 189.99,60.71 189.99,43.69 182.63,36.32 182.63,34.54 U12.16
/A9: length 758.1
  Top w0.4: 199.26,101.67 192.53,101.67 191.33,102.87 182.68,102.87 181.48,101.67 170.87,101.67 169.67,102.87 163.31,102.87 162.11,101.67 152.4,101.67 151.2,102.87 143.76,102.87 142.56,101.67 136.4,101.67 135.2,102.87 124.99,102.87 123.79,101.67 115.25,101.67 114.05,102.87 105.89,102.87 104.69,101.67 102.35,101.67 ; 199.14,136.07 200.91,136.07 202.25,137.41 209.73,137.41 211.07,136.07 218.44,136.07 ; 218.31,136.14 219.94,136.14 221.14,137.34 236.8,137.34 X3.22 ; 238,101.67 236.8,102.87 221.14,102.87 219.94,101.67 218.31,101.67 ; X28.22 65.79,67.06 66.99,68.26 80.08,68.26 81.28,67.06 X25.22 84.84,67.06 86.04,68.26 91.76,68.26 92.96,67.06 X22.22 ; 102.36,101.67 93.94,101.67 92.75,102.87 86.04,102.87 84.84,101.67 81.28,101.67 80.08,102.87 66.77,102.87 65.57,101.67 63.5,101.67 ; 199.26,136.14 192.53,136.14 191.33,137.34 182.68,137.34 181.48,136.14 170.87,136.14 169.67,137.34 163.31,137.34 162.11,136.14 152.4,136.14 151.2,137.34 143.76,137.34 142.56,136.14 136.4,136.14 135.2,137.34 124.99,137.34 123.79,136.14 115.25,136.14 114.05,137.34 105.89,137.34 104.69,136.14 102.35,136.14 ; X24.22 93.94,136.14 92.75,137.34 86.04,137.34 84.84,136.14 81.28,136.14 80.08,137.34 66.77,137.34 65.57,136.14 X30.22 ; 102.35,67.06 104.69,67.06 105.89,68.26 117.16,68.26 118.36,67.06 123.82,67.06 125.02,68.26 135.2,68.26 136.4,67.06 X16.22 143.34,67.06 144.54,68.26 151.2,68.26 152.4,67.06 X13.22 162.11,67.06 163.45,68.4 166.69,68.4 166.88,68.58 168.91,68.58 170.43,67.06 X10.22 181.48,67.06 182.75,68.33 191.26,68.33 192.53,67.06 X7.22 200.66,67.06 201.93,68.33 210.06,68.33 211.33,67.06 X4.22 219.94,67.06 221.14,68.26 236.8,68.26 X1.22 ; X8.22 200.91,101.6 202.11,102.8 209.87,102.8 211.07,101.6 X5.22 ; 63.5,136.07 56.39,136.07 55.05,137.41 47.06,137.41 45.72,136.07 44.2,136.07 ; X31.22 45.72,101.6 46.92,102.8 55.19,102.8 56.39,101.6 X29.22
  Bottom w0.4: 182.12,101.85 181.86,101.6 X11.22 ; 182.12,101.85 182.12,134.87 182.37,135.13 181.36,136.14 X12.22 ; 182.12,101.85 182.12,68.33 180.85,67.06 X10.22 ; X8.22 198.37,101.6 194.56,97.79 194.56,77.72 194.25,77.41 194.25,73.98 194.56,73.66 194.56,63.5 191.52,60.45 191.52,43.18 183.9,35.56 183.9,30.73 U12.14
/A10: length 761.2
  Top w0.4: 123.48,94.05 111.29,94.05 110.09,95.25 105.25,95.25 104.05,94.05 102.35,94.05 ; X19.19 123.44,59.44 124.64,60.64 129.61,60.64 130.81,59.44 X16.19 143,59.44 144.2,60.64 147.05,60.64 147.07,60.61 153.25,60.61 154.43,59.44 X13.19 162.31,59.44 163.51,60.64 166.44,60.64 167.64,59.44 X10.19 181.15,59.44 182.35,60.64 187.31,60.64 188.51,59.44 X7.19 200.39,59.44 201.66,60.71 205.99,60.71 207.26,59.44 X4.19 219.8,59.44 221,60.64 236.8,60.64 X1.19 ; 102.35,59.44 104.05,59.44 105.25,60.64 109.54,60.64 110.74,59.44 123.48,59.44 ; X22.19 90.42,59.44 89.22,60.64 86.29,60.64 85.09,59.44 X25.19 70.87,59.44 69.67,60.64 66.48,60.64 65.28,59.44 X28.19 ; 160.27,128.45 162.4,128.45 163.67,129.72 166.37,129.72 167.64,128.45 179.83,128.45 ; 102.35,128.52 104.05,128.52 105.25,129.72 110.09,129.72 111.29,128.52 123.48,128.52 ; 121.87,94.05 123.44,94.05 124.64,95.25 129.61,95.25 130.81,94.05 142.82,94.05 144.02,95.25 147.05,95.25 147.07,95.23 153.25,95.23 154.43,94.05 160.27,94.05 ; 179.83,128.52 181.26,128.52 182.46,129.72 187.31,129.72 188.51,128.52 200.98,128.52 202.25,129.79 205.96,129.79 207.23,128.52 219.8,128.52 221,129.72 236.8,129.72 X3.19 ; 63.5,94.05 65.28,94.05 66.48,95.25 69.67,95.25 70.87,94.05 85.09,94.05 86.29,95.25 89.22,95.25 90.42,94.05 102.36,94.05 ; 238,94.05 236.8,95.25 221,95.25 219.8,94.05 207.23,94.05 205.96,95.32 202.25,95.32 200.98,94.05 188.51,94.05 187.31,95.25 182.46,95.25 181.26,94.05 179.83,94.05 ; 160.27,128.52 154.43,128.52 153.25,129.7 147.07,129.7 147.05,129.72 144.02,129.72 142.82,128.52 130.81,128.52 129.61,129.72 124.64,129.72 123.44,128.52 121.87,128.52 ; X14.19 162.4,93.98 163.67,95.25 166.37,95.25 167.64,93.98 X11.19 ; X30.19 65.28,128.52 66.48,129.72 69.67,129.72 70.87,128.52 X27.19 85.09,128.52 86.29,129.72 89.22,129.72 90.42,128.52 X24.19 ; 44.2,128.45 45.72,128.45 47.06,129.79 49.81,129.79 51.15,128.45 63.5,128.45 ; X31.19 45.72,93.98 46.92,95.18 49.95,95.18 51.15,93.98 X29.19
  Bottom w0.4: U12.12 185.17,26.92 185.17,35.31 192.79,42.93 192.79,59.94 195.45,62.61 195.45,72.64 197.1,74.3 197.1,76.45 195.58,77.98 195.45,77.98 195.45,91.19 198.25,93.98 X8.19 ; 162.81,93.98 162.81,61.09 161.16,59.44 X13.19 ; 162.81,93.98 X14.19 ; 162.81,93.98 162.81,127.76 162.05,128.52 X15.19
